# Allegro board SG2042_EVB_V2_0.brd (continued)
## Routing (per net, layer and track width the routed paths; a pad name or vN(x,y) marks a point on that pad's centre or on a via; arc(x,y) is an arc through that point) (continued)
EN_VDD_1V05: length 189
  TOP w0.102: R13029.2 v1(135.76,30.02) ; v1(225.91,143.31) R12485.1 R12489.1 223.7,144.04 U3234.5
  ART03 w0.102: v1(163.17,26.21) 163.55,25.83 164.62,25.83 196.22,57.43 196.22,69.57 225.7,99.06 229.08,99.06 233.45,103.43 233.45,135.76 v1(225.91,143.31)
  BOTTOM w0.102: v1(135.76,30.02) 136.97,30.02 139.88,27.11 139.88,25.33 141.38,23.83 147.04,23.83 149.24,26.04 162.99,26.04 v1(163.17,26.21)
EN_VDD_1V05_ASM: length 79.2
  TOP w0.102: U3251.7 181.43,70.38 182.6,69.22 R12662.1 R12668.2 182.6,66.47 172.85,56.72 159.44,56.72 158.67,55.96 123.19,55.96 119,51.77 R2588.2
EN_VDD_1V25: length 128.3
  TOP w0.102: U3252.5 211.53,75.54 R12675.1 R12671.1 v1(212.27,77.75) ; v1(117.68,35.1) 117.21,34.64 U2009.15
  ART03 w0.102: v1(212.27,77.75) 208.51,77.75 199.26,68.5 199.26,58.88 v1(169.6,29.21)
  BOTTOM w0.102: v1(169.6,29.21) 168.99,29.82 153.01,29.82 151.31,31.52 133.76,31.52 131.37,33.91 130.78,33.91 129.59,35.1 v1(117.68,35.1)
EN_VDD_2V5: length 158.1
  TOP w0.102: v1(168.28,112.55) R12990.1 R12993.1 167.54,110.34 U3278.5 ; R12997.1 v1(120.6,23.6)
  ART14 w0.102: v1(166.47,22.63) 166.47,48.95 159.08,56.34 159.08,57.9 158.7,58.28 158.7,77.4 160.35,79.05 160.35,82.79 170.79,93.23 170.79,108.18 168.28,110.69 v1(168.28,112.55)
  BOTTOM w0.102: v1(120.6,23.6) 120.6,27.05 122.94,29.39 128.91,29.39 134.92,23.37 134.92,22.84 136.6,21.16 162.49,21.16 163.97,22.63 v1(166.47,22.63)
EN_VDD_2V5_ASM: length 42.1
  TOP w0.102: R2587.2 v1(118.14,47.68) ; v1(120.14,84.68) R2580.1 R2585.1 122.35,83.95 U2027.5
  ART14 w0.102: v1(118.14,47.68) 120.14,49.68 v1(120.14,84.68)
EN_VDD_3V3: length 252.2
  TOP w0.102: v1(162.53,60.48) 162.36,60.3 159.67,60.3 156.74,57.38 119.14,57.38 108.56,46.79 108.56,46.79 106.73,44.96 106.73,36.53 109.8,33.45 R12924.1 ; U3272.7 215.7,202.13 216.87,203.3 R12912.1 R12918.2 v1(218.87,203.3)
  ART14 w0.102: v1(162.53,60.48) 167.47,65.42 167.47,75.84 169.01,77.38 169.01,87.42 173.63,92.05 173.63,92.15 173.63,118.3 205.16,149.82 205.16,196.82 211.96,203.63 218.54,203.63 v1(218.87,203.3)
EN_VDD_PCIE_D_0V8: length 200.3
  TOP w0.102: v1(153.95,139.19) 112.09,139.19 110.21,141.07 110.21,145.92 110.39,146.1 R679.2 R674.1 112.34,146.1 113.51,147.27 U60.7 ; R2058.1 111.79,42.75 111.79,48.58 119.56,56.36 157.71,56.36 v1(158.27,56.92)
  ART14 w0.102: v1(158.27,56.92) 157.89,57.3 157.89,77.74 159.54,79.39 159.54,83.13 165.35,88.94 165.35,97.64 154.18,108.81 154.18,138.96 v1(153.95,139.19)
EN_VDD_PCIE_H_1V8: length 185.8
  TOP w0.102: R2060.1 112.29,48.8 119.65,56.16 158.06,56.16 v1(158.27,56.36) ; U28.5 127.76,151.59 R2099.1 R341.1 127.03,149.35 129.59,146.79 153.52,146.79 v1(153.95,147.22)
  ART14 w0.102: v1(158.27,56.36) 158.65,56.74 158.65,57.76 158.29,58.12 158.29,77.57 159.95,79.22 159.95,82.96 165.76,88.77 165.76,97.81 154.58,108.98 154.58,146.58 v1(153.95,147.22)
EN_VDD_PLL_0V8: length 197.7
  TOP w0.102: U19.5 121.56,157.05 R2098.1 R307.1 120.83,150.6 124.92,146.51 153.9,146.51 v1(153.95,146.56) ; R2059.1 111.58,42.09 111.58,48.67 119.48,56.57 157.35,56.57 v1(158.27,57.48)
  ART14 w0.102: v1(153.95,146.56) 154.38,146.13 154.38,108.9 165.56,97.72 165.56,88.86 159.74,83.04 159.74,79.3 158.09,77.65 158.09,57.66 v1(158.27,57.48)
EN_VDDC: length 349.1
  TOP w0.102: R2532.1 v1(193.65,299.03) ; R2076.2 v1(135.76,42.98)
  ART03 w0.102: v1(193.65,299.03) 195.07,297.61 195.07,295.04 199.29,290.82 207.52,290.82 209.78,288.56 209.78,287.28 211.63,285.43 211.63,277.17 215.8,273.01 215.8,233.39 208.18,225.77 208.18,171.82 209.75,170.25 209.75,147.48 226.29,130.95 226.29,101.08 195.2,69.99 195.2,58.59 177.34,40.73 v1(177.34,40.46)
  BOTTOM w0.102: v1(177.34,40.46) 177.14,40.67 162.25,40.67 157.85,45.06 147.74,45.06 146.78,44.09 136.88,44.09 v1(135.76,42.98)
EN_VDDIO18: length 291.1
  TOP w0.102: U31.5 227.13,256.9 R2100.1 R354.1 v1(229.34,256.16) ; v1(160.3,59.13) 159.36,59.13 157,56.77 119.4,56.77 111.38,48.75 111.38,41.43 R2056.1
  ART14 w0.102: v1(229.34,256.16) 229.34,248.93 203.53,223.12 203.53,150.49 172.01,118.97 172.01,92.72 161.57,82.29 161.57,78.01 160.71,77.15 160.71,59.54 v1(160.3,59.13)
EN_VDDIO33: length 279
  TOP w0.102: R2057.1 135.76,41.25 137.62,43.1 137.62,49.88 142.89,55.14 159.01,55.14 159.39,55.52 162.84,55.52 v1(163.22,55.14) ; v1(229.34,262.79) R1349.1 R2101.1 227.13,263.52 U816.5
  ART14 w0.102: v1(229.34,262.79) 229.72,262.41 229.72,249.02 203.73,223.04 203.73,150.41 172.21,118.89 172.21,92.64 161.78,82.2 161.78,77.93 160.91,77.06 160.91,57.45 v1(163.22,55.14)
EN_VQPS18: length 196.6
  TOP w0.102: v1(160.93,53.9) 160.71,54.13 143.31,54.13 138.63,49.45 138.63,37.95 136.55,35.86 136.55,32.54 135.76,31.75 R2054.1 ; v1(153.95,149.05) 131.09,171.91 118.19,171.91 117.53,171.25 115.42,171.25 R257.1
  ART14 w0.102: v1(153.95,149.05) 154.79,148.21 154.79,109.07 165.96,97.89 165.96,88.69 160.15,82.88 160.15,79.14 158.5,77.48 158.5,58.2 158.88,57.82 158.88,55.96 v1(160.93,53.9)
EXTL_PWR: length 0.7
  TOP w0.254: 218.15,73.4 U3237.2
FAULT#_0: length 121.5
  TOP w0.102: U3266.26 v1(133.11,300.02) ; U3263.26 v1(102.4,300.02) ; U3265.26 v1(122.87,300.02) ; U3264.26 v1(112.63,300.02) ; U3262.26 v1(92.16,300.02) ; U3267.26 v1(143.34,300.02) ; R2529.1 v1(194.26,300.51)
  ART03 w0.102: v1(92.16,300.02) 93.58,301.45 99.1,301.45 101.15,299.39 101.76,299.39 v1(102.4,300.02) 103.82,301.45 109.33,301.45 111.39,299.39 112,299.39 v1(112.63,300.02) 114.06,301.45 119.57,301.45 121.63,299.39 122.23,299.39 v1(122.87,300.02) 124.29,301.45 129.81,301.45 131.86,299.39 132.47,299.39 v1(133.11,300.02) 134.53,301.45 140.04,301.45 142.1,299.39 142.71,299.39 v1(143.34,300.02) 144.76,301.45 156.89,301.45 163.57,294.77 179.87,294.77 183.91,298.81 191.95,298.81 193.65,300.51 v1(194.26,300.51)
FAULT#_1: length 273.9
  TOP w0.102: U3268.26 v1(102.99,141.05) ; R2557.1 v1(193.65,298.17)
  ART03 w0.102: v1(193.65,298.17) 193.19,297.71 193.19,296.35 199.12,290.42 207.35,290.42 209.37,288.39 209.37,287.11 211.23,285.26 211.23,277.01 215.39,272.84 215.39,233.55 207.77,225.93 207.77,171.65 209.17,170.26 v1(209.17,167.87)
  ART05 w0.102: v1(102.99,141.05) 102.99,140 105.14,137.85 138.83,137.85 155.01,154.03 172.7,154.03 173.36,153.37 174.9,153.37 175.56,154.03 181.97,154.03 182.66,153.34 184.29,153.34 184.98,154.03 199.8,154.03 208.76,162.99 208.76,167.46 v1(209.17,167.87)
FOR_LED0: length 5.2
  TOP w0.102: J2022.2 107.34,8.79 R12763.1 Q2028.3
FOR_LED1: length 4.6
  TOP w0.102: J2022.4 110.39,9.14 R12761.1 Q2026.3
FOR_LED2: length 4.2
  TOP w0.102: J2022.6 112.93,10.01 111.63,11.3 Q2027.3
FOR_LED3: length 3.9
  TOP w0.102: J2022.8 115.47,10.87 R12760.1 Q2025.3
FOR_SW0: length 2.6
  TOP w0.102: R12747.1 118.31,9.09 J2022.10
FOR_SW1: length 3
  TOP w0.102: J2022.12 121.72,9.96 R12751.1
FOR_SW2: length 3.4
  TOP w0.102: J2022.14 125.12,10.82 R12755.1
FOR_SW3: length 4.3
  TOP w0.102: R12759.1 128.52,10.69 128.17,10.34 127.18,10.34 J2022.16
FP0_D0: length 7.4
  TOP w0.102: U3273.V17 183.48,106.04 183.48,106.84 182.68,107.64 182.68,111.59 R12976.2 R12974.1
GPIO0: length 501.7
  TOP w0.102: U1.G24 v1(111.75,243.05)
  ART03 w0.102: v1(38.61,268.88) 39.4,268.1 39.4,264.61 30.91,256.12 30.91,233.04 30.91,232.87 26.31,228.28 26.31,191.53 21.59,186.81 21.59,160.21 18.08,156.69 15.21,156.69 14.43,155.91 14.43,149.57 17.14,146.85 17.14,18.98 17.55,18.57 17.55,11.99 18.11,11.43 v1(18.11,9.45)
  BOTTOM w0.102: v1(111.75,243.05) 111.37,243.43 111.37,250.29 69.53,292.13 46.34,292.13 37.62,283.4 37.62,269.88 v1(38.61,268.88) ; v1(18.11,9.45) 18.49,9.83 127.13,9.83 J2022.18
GPIO1: length 510.1
  TOP w0.102: U1.J26 v1(113.75,241.05)
  ART03 w0.102: v1(38.61,267.67) 38.99,267.28 38.99,264.78 30.51,256.29 30.51,233.04 25.22,227.76 25.22,218.99 25.73,218.48 25.73,209.25 25.17,208.7 25.17,200.88 25.76,200.3 25.76,191.55 21.18,186.98 21.18,160.37 17.91,157.1 15.04,157.1 14.02,156.08 14.02,149.4 16.74,146.69 16.74,18.81 17.14,18.4 17.14,10.46 v1(17.55,10.06)
  BOTTOM w0.102: v1(17.55,10.06) 17.73,10.24 129.26,10.24 J2022.20 ; v1(38.61,267.67) 38.02,267.67 37.21,268.47 37.21,268.79 37.24,268.81 37.24,269.36 37.21,269.38 37.21,283.57 46.17,292.53 70.84,292.53 113.13,250.24 113.13,241.67 v1(113.75,241.05)
GPIO2: length 507.9
  TOP w0.102: U1.F23 v1(110.75,244.05)
  ART03 w0.102: v1(110.75,244.05) 111.13,244.43 111.13,250.91 69.46,292.58 46.08,292.58 36.02,282.52 36.02,275.03 36.8,274.24 36.8,264.32 29.29,256.8 29.29,233.55 23.95,228.21 23.95,191.92 19.96,187.93 19.96,160.88 17.4,158.32 14.53,158.32 12.8,156.59 12.8,148.9 15.52,146.18 15.52,18.8 15.11,18.39 15.11,11.28 v1(15.72,10.67)
  BOTTOM w0.102: J2022.22 131.39,10.64 15.75,10.64 v1(15.72,10.67)
GPIO3: length 511.6
  TOP w0.102: U1.H25 v1(112.75,242.05)
  ART03 w0.102: v1(17.55,11.28) 17.35,11.48 17.35,18.49 16.94,18.89 16.94,146.77 14.22,149.49 14.22,156 15.12,156.9 17.99,156.9 21.39,160.29 21.39,186.89 25.96,191.47 25.96,200.38 25.37,200.96 25.37,208.61 25.93,209.17 25.93,218.57 25.43,219.07 25.43,227.68 30.71,232.96 30.71,256.21 39.19,264.69 39.19,267.69 v1(38.61,268.27)
  BOTTOM w0.102: v1(112.75,242.05) 112.37,242.43 112.37,250.24 70.28,292.33 46.26,292.33 37.41,283.49 37.41,269.47 v1(38.61,268.27) ; J2022.24 133.73,10.85 17.98,10.85 v1(17.55,11.28)
GPIO4: length 101
  TOP w0.102: R593.1 v1(55.7,297.1) ; U1.F25 v1(112.75,244.05)
  ART05 w0.102: v1(49.91,291.31) v1(55.7,297.1)
  ART14 w0.102: v1(112.75,244.05) 112.13,244.67 112.13,250.39 71,291.52 50.11,291.52 v1(49.91,291.31)
GPIO5: length 505.8
  TOP w0.102: U1.F24 v1(111.75,244.05)
  ART05 w0.102: v1(18.72,9.45) 19.56,10.29 19.56,61.37 20.6,62.41 20.6,72.85 21.21,73.46 21.21,101.33 3.84,118.71 3.84,147.23 13.08,156.47 13.08,163.97 20.07,170.96 20.07,187.45 23.7,191.08 23.7,228.17 29.03,233.5 29.03,238.56 38.79,248.31 45.19,248.31 v1(45.62,248.74)
  ART14 w0.102: v1(45.62,248.74) 45.21,249.15 45.21,284.82 48.37,287.99 73.41,287.99 111.13,250.27 111.13,244.67 v1(111.75,244.05)
  BOTTOM w0.102: v1(18.72,9.45) 18.9,9.63 104.67,9.63 106.78,7.52 126.9,7.52 J2022.17
GPIO5_19371836: length 5.7
  TOP w0.102: U3235.AD25 138.06,72.21 135.08,72.21 134.52,72.77 R12517.1 R12524.1
GPIO6: length 495.8
  TOP w0.102: v1(38.61,271.32) 39.83,272.54 39.83,284.32 46.03,290.53 50.42,290.53 51.41,291.52 68.49,291.52 105.25,254.76 U1.A17
  ART03 w0.102: v1(16.54,9.45) 16.13,9.86 16.13,146.43 13.41,149.15 13.41,156.34 14.78,157.71 17.66,157.71 20.57,160.63 20.57,187.68 24.56,191.67 24.56,227.96 29.9,233.3 29.9,256.55 38.02,264.67 38.02,270.74 v1(38.61,271.32)
  BOTTOM w0.102: v1(16.54,9.45) 17.5,9.45 18.08,10.03 129.01,10.03 129.44,9.6 129.44,7.52 J2022.19
GPIO7: length 515.6
  TOP w0.102: U1.H26 v1(113.75,242.05)
  ART03 w0.102: v1(38.61,267.06) 38.61,264.68 30.3,256.38 30.3,233.13 25.02,227.84 25.02,218.91 25.53,218.4 25.53,209.34 24.97,208.78 24.97,200.8 25.55,200.21 25.55,191.63 20.98,187.06 20.98,160.46 17.82,157.3 14.95,157.3 13.82,156.17 13.82,149.32 16.54,146.6 16.54,18.73 16.94,18.32 16.94,10.46 v1(16.54,10.06)
  BOTTOM w0.102: J2022.21 131.98,7.52 131.98,9.6 131.14,10.44 16.92,10.44 v1(16.54,10.06) ; v1(113.75,242.05) 113.37,242.43 113.37,250.29 70.92,292.74 46.09,292.74 37.01,283.66 37.01,268.07 38.02,267.06 v1(38.61,267.06)
GPIO8: length 252.6
  TOP w0.102: U1.A18 106.25,254.34 68.66,291.92 51.24,291.92 50.25,290.93 46.2,290.93 45.87,290.93 39.42,284.49 39.42,275.01 v1(38.61,274.19) ; R597.1 v1(69.44,145.87)
  ART03 w0.102: v1(38.61,274.19) 40.41,272.39 40.41,263.19 39.04,261.82 39.04,257.81 41.83,255.02 41.83,250.28 45.39,246.73 45.39,223.06 48.59,219.86 48.59,211.41 49.66,210.35 49.66,199.09 50.37,198.38 50.37,151.53 56.02,145.87 v1(69.44,145.87)
GPIO9: length 246.6
  TOP w0.102: U1.D19 v1(106.75,246.05) ; R598.1 v1(70.31,145.87)
  ART03 w0.102: v1(70.31,145.87) 69.93,146.25 55.93,146.25 50.57,151.61 50.57,209.72 48.79,211.5 48.79,219.95 45.59,223.15 45.59,247.65 42.04,251.21 42.04,257.06 41.68,257.42 41.68,258.98 42.04,259.33 42.04,275.95 41.63,276.36 41.63,283.87 45.57,287.81 69.85,287.81 106.75,250.91 v1(106.75,246.05)
GPIO10: length 272.1
  TOP w0.102: U1.F27 v1(114.75,244.05) ; R599.1 v1(71.17,145.87)
  ART03 w0.102: v1(71.17,145.87) 70.79,145.49 56.12,145.49 49.61,152 49.61,174.51 49.45,174.67 49.45,210.26 47.57,212.14 47.57,220.56 45.19,222.94 45.19,246.64 41.63,250.2 41.63,253.87 38.84,256.67 38.84,261.91 40.21,263.28 40.21,272.05 38.02,274.23 38.02,279.63 v1(36.4,281.25)
  BOTTOM w0.102: v1(114.75,244.05) 114.37,244.43 114.37,250.29 71.52,293.14 42.97,293.14 35.99,286.16 35.99,281.66 v1(36.4,281.25)
GPIO11: length 272.9
  TOP w0.102: R600.1 v1(72.03,145.87) ; U1.F26 v1(113.75,244.05)
  ART03 w0.102: v1(36.4,280.39) 37.82,278.97 37.82,274.15 40.01,271.97 40.01,263.36 37.92,261.28 37.92,256.29 41.43,252.78 41.43,250.11 44.98,246.56 44.98,222.86 47.37,220.47 47.37,212.06 49.25,210.18 49.25,174.58 49.4,174.43 49.4,151.92 56.03,145.29 71.45,145.29 v1(72.03,145.87)
  BOTTOM w0.102: v1(113.75,244.05) 114.13,244.43 114.13,250.24 71.43,292.94 43.06,292.94 36.8,286.69 36.8,280.8 v1(36.4,280.39)
GPIO12: length 142.9
  TOP w0.102: R2276.1 v1(43.59,243.76) ; U1.G26 v1(113.75,243.05)
  ART14 w0.102: v1(43.59,243.76) 43.41,243.94 43.41,256.18 42.85,256.74 42.85,288.06 46.91,292.13 71.56,292.13 113.37,250.32 113.37,243.43 v1(113.75,243.05)
GPIO13: length 136.2
  TOP w0.102: R2280.1 v1(40.39,244.37) ; v1(38.61,272.82) 39.62,273.84 39.62,284.4 45.95,290.73 46.12,290.73 50.33,290.73 51.33,291.72 68.58,291.72 105.75,254.55 105.75,248.05 U1.B18
  ART03 w0.102: v1(38.61,272.82) 39.8,271.63 39.8,263.45 36.65,260.3 36.65,250.3 36.65,250.3 36.65,249.98 36.65,249.98 36.65,248.11 v1(40.39,244.37)
GPIO14: length 136.2
  TOP w0.102: v1(44.6,244.78) 39.67,244.78 R2281.1 ; U1.E24 v1(111.75,245.05)
  ART14 w0.102: v1(111.75,245.05) 111.37,245.43 111.37,250.32 73.5,288.19 48.29,288.19 45.01,284.91 45.01,245.19 v1(44.6,244.78)
GPIO15: length 106.3
  TOP w0.102: R2282.1 v1(38.43,276.94) ; U1.E22 v1(109.75,245.05)
  ART03 w0.102: v1(109.75,245.05) 110.13,245.43 110.13,250.91 68.87,292.18 53.15,292.18 51.14,290.17 45.06,290.17 39.42,284.53 39.42,277.93 v1(38.43,276.94)
GPIO16: length 439.6
  TOP w0.102: U1.J27 v1(114.75,241.05) ; U2018.1 215.09,113.59 205.58,123.1 194.19,123.1 185.85,131.44 159.29,131.44 156.11,134.62 55.35,134.62 54.23,135.74 v1(53.44,135.74)
  ART14 w0.102: v1(42.44,275.31) 41.58,276.17 41.58,287.08 46.83,292.33 72.07,292.33 114.13,250.27 114.13,241.67 v1(114.75,241.05)
  BOTTOM w0.102: v1(42.44,275.31) 41.05,273.91 41.05,265.32 34.09,258.36 34.09,159.24 40.77,152.55 43.91,152.55 44.08,152.55 44.24,152.55 52.73,144.07 52.73,136.45 v1(53.44,135.74)
GPIO16_H: length 23.4
  TOP w0.102: J17.4 235.36,108.25 226.19,108.25 225.65,108.79 216.14,108.79 215.09,107.74 U2018.20
GPIO17: length 428.6
  TOP w0.089: 106.58,248.81 106.65,248.75 106.65,247.15 U1.C19
  TOP w0.102: U2018.3 213.79,113.59 204.48,122.9 194.11,122.9 185.76,131.24 159.21,131.24 156.03,134.42 55.26,134.42 54.42,135.25 52.86,135.25 v1(52.4,134.8) ; 106.58,248.81 106.58,254.29 68.75,292.13 46.77,292.13 39.22,284.57 39.22,275.41 v1(38.61,274.8)
  BOTTOM w0.102: v1(52.4,134.8) 52.12,135.08 52.12,143.81 43.99,151.94 40.52,151.94 33.48,158.98 33.48,259.42 39.45,265.39 39.45,273.96 v1(38.61,274.8)
GPIO17_H: length 25
  TOP w0.102: U2018.18 213.79,107.74 215.04,108.99 225.74,108.99 226.27,108.46 234.9,108.46 J17.6
GPIO18: length 429.3
  TOP w0.102: v1(53.44,134.8) 54.59,134.8 55.18,134.21 155.95,134.21 159.12,131.04 185.68,131.04 194.02,122.69 204.04,122.69 213.14,113.59 U2018.4 ; U1.E25 v1(112.75,245.05)
  ART14 w0.102: v1(112.75,245.05) 112.37,245.43 112.37,250.43 71.08,291.72 49.68,291.72 44.2,286.23 44.2,275.89 v1(43.61,275.31)
  BOTTOM w0.102: v1(53.44,134.8) 53.82,135.18 53.82,136.63 52.93,137.52 52.93,144.15 44.33,152.76 43.99,152.76 43.82,152.76 40.85,152.76 34.29,159.32 34.29,258.28 41.25,265.23 41.25,272.95 v1(43.61,275.31)
GPIO18_H: length 26.7
  TOP w0.102: U2018.17 213.14,107.74 214.59,109.19 225.82,109.19 226.36,108.66 232.56,108.66 J17.8
GPIO19: length 440.5
  TOP w0.102: U2018.5 212.49,113.59 203.59,122.49 193.94,122.49 185.6,130.84 159.04,130.84 155.86,134.01 55.09,134.01 54.71,134.39 51.89,134.39 v1(51.49,134.8) ; U1.E27 v1(114.75,245.05)
  BOTTOM w0.102: v1(51.49,134.8) 51.03,135.25 51.03,144.04 43.74,151.33 40.26,151.33 32.28,159.31 32.28,259.09 36.35,263.15 36.35,275.39 35.79,275.95 35.79,286.25 42.89,293.34 72.03,293.34 115.13,250.24 115.13,245.43 v1(114.75,245.05)
GPIO19_H: length 29.1
  TOP w0.102: U2018.16 212.49,107.74 214.15,109.4 225.91,109.4 226.44,108.86 231.5,108.86 234.75,112.12 234.75,113.39 J17.10
GPIO20: length 412.5
  TOP w0.102: U2018.6 211.84,113.59 203.14,122.29 193.86,122.29 185.51,130.63 158.95,130.63 155.78,133.81 54.71,133.81 v1(54.51,134.01) ; U1.E16 v1(103.75,245.05)
  BOTTOM w0.102: v1(103.75,245.05) 104.13,245.43 104.13,250.24 67.3,287.07 49.33,287.07 46.96,284.7 46.96,276.07 42.06,271.18 42.06,264.24 34.7,256.87 34.7,159.49 41.02,153.16 43.65,153.16 43.82,153.16 43.82,153.16 44.5,153.16 54.28,143.38 54.28,134.24 v1(54.51,134.01)
GPIO20_H: length 30.9
  TOP w0.102: J17.12 234.75,115.93 234.75,113.82 231.72,110.79 227.13,110.79 225.93,109.6 213.7,109.6 211.84,107.74 U2018.15
GPIO21: length 428.6
  TOP w0.102: v1(53.95,133.17) 54.38,133.6 155.69,133.6 158.87,130.43 185.43,130.43 193.77,122.09 202.69,122.09 211.19,113.59 U2018.7 ; U1.F21 v1(108.75,244.05)
  ART03 w0.102: v1(108.75,244.05) 109.13,244.43 109.13,250.91 68.27,291.77 53.31,291.77 51.31,289.76 45.23,289.76 39.83,284.36 39.83,275.89 v1(40.41,275.31)
  BOTTOM w0.102: v1(40.41,275.31) 39.65,274.55 39.65,265.3 33.68,259.33 33.68,159.07 40.6,152.15 44.08,152.15 52.32,143.9 52.32,135.69 52.81,135.2 52.81,134.32 v1(53.95,133.17)
GPIO21_H: length 33.9
  TOP w0.102: U2018.14 211.19,107.74 213.25,109.8 225.85,109.8 227.04,111 227.21,111 227.21,111 231.64,111 234.54,113.9 234.54,118.26 J17.14
GPIO22: length 419.6
  TOP w0.102: v1(54.51,133.17) 54.74,133.4 155.61,133.4 158.78,130.23 185.34,130.23 193.69,121.88 202.25,121.88 210.54,113.59 U2018.8 ; U1.F19 v1(106.75,244.05)
  ART03 w0.102: v1(106.75,244.05) 106.37,244.43 106.37,250.96 69.73,287.6 45.65,287.6 41.83,283.79 41.83,276.73 v1(42.44,276.12)
  BOTTOM w0.102: v1(54.51,133.17) 53.01,134.67 53.01,135.46 52.53,135.94 52.53,143.98 44.16,152.35 43.99,152.35 40.69,152.35 33.88,159.15 33.88,258.44 40.84,265.4 40.84,274.52 v1(42.44,276.12)
GPIO22_H: length 36.9
  TOP w0.102: J17.16 234.34,120.6 234.34,113.99 231.56,111.2 227.3,111.2 226.96,111.2 225.76,110.01 212.81,110.01 210.54,107.74 U2018.13
GPIO23: length 433.6
  TOP w0.102: U2018.9 209.89,113.59 201.8,121.68 193.6,121.68 185.26,130.02 158.7,130.02 155.52,133.2 55.09,133.2 v1(54.51,132.61) ; U1.J23 v1(110.75,241.05)
  BOTTOM w0.102: v1(110.75,241.05) 110.25,241.55 110.25,250.24 68.77,291.72 48.14,291.72 47.13,290.7 45.49,290.7 38.02,283.23 38.02,274.24 39.24,273.02 39.24,265.47 32.69,258.92 32.69,159.48 40.43,151.74 43.91,151.74 51.92,143.73 51.92,134.04 53.34,132.61 v1(54.51,132.61)
GPIO23_H: length 39.9
  TOP w0.102: U2018.12 209.89,107.74 212.36,110.21 225.68,110.21 226.87,111.4 227.38,111.4 231.47,111.4 234.14,114.07 234.14,122.94 J17.18
GPIO24: length 427.6
  TOP w0.102: U2006.1 215.09,132.08 213.49,133.68 160.22,133.68 157.04,136.86 57.67,136.86 54.17,140.36 v1(51.49,140.36) ; U1.H24 v1(111.75,242.05)
  BOTTOM w0.102: v1(51.49,140.36) 51.49,143.87 43.82,151.54 40.35,151.54 32.49,159.4 32.49,259 39.04,265.56 39.04,272.93 37.82,274.15 37.82,283.32 45.41,290.91 47.04,290.91 48.06,291.92 69.45,291.92 111.13,250.24 111.13,242.67 v1(111.75,242.05)
GPIO24_H: length 24.2
  TOP w0.102: U2006.20 215.09,126.29 216.46,127.66 225.35,127.66 226.85,126.16 234.82,126.16 J17.20
GPIO25: length 411
  TOP w0.102: v1(53.9,137.9) 54.48,138.48 55.76,138.48 57.59,136.65 156.96,136.65 160.13,133.48 212.8,133.48 213.79,132.49 U2006.3 ; U1.H18 v1(105.75,242.05)
  BOTTOM w0.102: v1(53.9,137.9) 53.9,143.47 44.41,152.96 43.91,152.96 43.74,152.96 43.74,152.96 40.94,152.96 34.49,159.4 34.49,258.19 41.45,265.15 41.45,271.43 46.35,276.33 46.35,285 49.02,287.68 67.98,287.68 105.37,250.29 105.37,242.43 v1(105.75,242.05)
GPIO25_H: length 26.6
  TOP w0.102: U2006.18 213.79,126.29 215.37,127.86 225.43,127.86 226.93,126.36 232.49,126.36 J17.22
GPIO26: length 271.9
  TOP w0.102: U2006.4 v1(213.14,132.59) ; U1.E33 v1(121.75,245.05)
  ART03 w0.102: v1(209.02,273.43) 202.82,267.23 202.82,250.36 203.71,249.47 203.71,143.78 213.14,134.34 v1(213.14,132.59)
  BOTTOM w0.102: v1(209.02,273.43) 208.43,273.43 205.94,275.92 205.94,280.24 200.56,285.62 191.83,285.62 188.15,289.31 186.23,289.31 184.85,290.68 183.81,290.68 180.95,293.54 165.73,293.54 161.5,289.31 160.41,289.31 121.37,250.27 121.37,245.43 v1(121.75,245.05)
GPIO26_H: length 29.6
  TOP w0.102: J17.24 234.54,130.96 234.54,128.71 232.4,126.57 227.02,126.57 225.52,128.07 214.92,128.07 213.14,126.29 U2006.17
GPIO27: length 264.7
  TOP w0.102: U2006.5 v1(212.49,132.08) ; U1.B34 v1(122.75,248.05)
  ART03 w0.102: v1(212.49,132.08) 212.49,134.7 203.5,143.69 203.5,249.39 202.62,250.28 202.62,267.64 v1(207.7,272.72)
  BOTTOM w0.102: v1(122.75,248.05) 123.13,248.43 123.13,250.51 161.32,288.7 161.75,288.7 165.98,292.93 180.7,292.93 183.56,290.07 184.6,290.07 185.97,288.7 187.9,288.7 191.58,285.01 200.31,285.01 205.33,279.99 205.33,275.67 207.7,273.3 v1(207.7,272.72)
GPIO27_H: length 39.7
  TOP w0.102: R2208.1 212.5,123.39 v1(212.49,123.39) U2006.16
  BOTTOM w0.102: v1(212.49,123.39) 219.78,116.1 231.36,116.1 234.44,113.02 234.44,107.37 235.76,106.05 237.57,106.05 J17.1
GPIO28: length 276.5
  TOP w0.102: U1.J31 v1(119.75,241.05) ; U2006.6 v1(211.84,132.59)
  ART03 w0.102: v1(208.2,274.24) 208.2,273.83 202.41,268.04 202.41,250.19 203.3,249.3 203.3,143.61 211.84,135.07 v1(211.84,132.59)
  BOTTOM w0.102: v1(119.75,241.05) 120.37,241.67 120.37,250.27 162.69,292.58 163.78,292.58 165.14,293.94 181.12,293.94 183.98,291.08 185.02,291.08 186.4,289.71 188.32,289.71 192,286.03 200.73,286.03 206.35,280.41 206.35,276.68 208.2,274.83 v1(208.2,274.24)
GPIO28_H: length 37
  TOP w0.102: U2006.15 v1(211.84,123.9)
  BOTTOM w0.102: J17.3 237.57,108.58 235.76,108.58 234.65,109.7 234.65,113.11 231.44,116.31 220.17,116.31 212.57,123.9 v1(211.84,123.9)
GPIO29: length 272.8
  TOP w0.102: U1.G32 v1(120.75,243.05) ; U2006.7 v1(211.19,132.08)
  ART03 w0.102: v1(207.8,274.65) 207.8,273.71 202.21,268.12 202.21,250.11 203.1,249.22 203.1,143.52 211.19,135.43 v1(211.19,132.08)
  BOTTOM w0.102: v1(120.75,243.05) 121.13,243.43 121.13,250.32 160.32,289.51 161.42,289.51 165.65,293.74 181.04,293.74 183.89,290.88 184.94,290.88 186.31,289.51 188.24,289.51 191.92,285.83 200.65,285.83 206.15,280.33 206.15,276.3 v1(207.8,274.65)
GPIO29_H: length 38
  TOP w0.102: U2006.14 v1(211.19,123.39)
  BOTTOM w0.102: J17.5 237.57,111.12 235.76,111.12 234.85,112.04 234.85,115.4 231.71,118.54 218.24,118.54 212.5,124.28 211.56,124.28 211.19,123.92 v1(211.19,123.39)
GPIO30: length 266.3
  TOP w0.102: U1.E34 v1(122.75,245.05) ; U2006.8 v1(210.54,132.59)
  ART03 w0.102: v1(210.54,132.59) 210.54,135.79 202.9,143.44 202.9,249.13 202.01,250.02 202.01,269.26 206.33,273.58 v1(206.83,273.58)
  BOTTOM w0.102: v1(122.75,245.05) 123.13,245.43 123.13,246.45 123.54,246.85 123.54,250.34 161.49,288.29 161.92,288.29 166.15,292.52 180.53,292.52 183.39,289.66 184.43,289.66 185.81,288.29 187.73,288.29 191.41,284.61 200.14,284.61 204.93,279.82 204.93,274.93 206.27,273.58 v1(206.83,273.58)
GPIO30_H: length 35.4
  TOP w0.102: U2006.13 v1(210.54,123.9)
  BOTTOM w0.102: J17.7 237.57,113.67 235.76,113.67 235.05,114.38 235.05,115.49 231.79,118.75 218.32,118.75 212.58,124.49 211.13,124.49 v1(210.54,123.9)
GPIO31: length 264.4
  TOP w0.102: U2006.9 v1(209.89,132.08) ; U1.D34 v1(122.75,246.05)
  ART03 w0.102: v1(209.89,132.08) 209.89,136.15 202.69,143.35 202.69,249.05 201.8,249.94 201.8,269.34 206.02,273.56 v1(206.02,274.4)
  BOTTOM w0.102: v1(122.75,246.05) 122.75,246.42 123.33,247.01 123.33,250.43 161.4,288.49 161.84,288.49 166.07,292.72 180.61,292.72 183.47,289.86 184.52,289.86 185.89,288.49 187.81,288.49 191.5,284.81 200.23,284.81 205.13,279.91 205.13,275.29 v1(206.02,274.4)
GPIO31_H: length 35.5
  TOP w0.102: U2006.12 v1(209.89,123.39)
  BOTTOM w0.102: J17.9 237.57,116.2 234.62,116.2 231.88,118.95 218.41,118.95 212.67,124.69 210.67,124.69 209.89,123.91 v1(209.89,123.39)
GVDD: length 8.5
  TOP w0.381: U3273.H11 v1(189.08,97.25) ; U3273.H8 v1(191.48,97.25) ; U3273.A23 v1(178.69,91.64) ; U3273.H9 v1(190.68,97.25) ; U3273.H13 v1(186.69,97.25) ; U3273.H10 v1(189.88,97.25) ; U3273.H12 v1(187.49,97.25) ; U3273.B19 v1(181.89,92.45)
  BOTTOM w0.254: C6187.1 189.08,96.88 ; C6187.1 188.65,96.44 ; C6187.1 189.51,96.44 ; 191.03,96.44 C6185.1 191.47,97.23 v1(191.48,97.25) ; 186.69,97.1 C6186.1 187.12,96.67
  BOTTOM w0.381: 178.69,92.25 178.69,91.65 v1(178.69,91.64)
  vias: v1(198.17,94.28) v1(198.17,93.73)
HPD: length 229.6
  TOP w0.102: v1(25.1,176.45) 24.4,177.15 D605.2 20.44,177.15 18.46,179.12 13.4,179.12 J2047.H19 ; R12956.2 v1(200.53,107.11)
  ART05 w0.102: v1(25.1,176.45) 25.7,177.06 30.88,177.06 33.38,174.57 33.38,165.5 37.46,161.42 42.87,161.42 43.5,160.78 43.5,158.51 43.54,158.47 43.54,158.46 67.66,134.34 159.22,134.34 178.15,115.42 196.88,115.42 200.53,111.76 v1(200.53,107.11)
